# Altium PCB 2016-01-09_18-46-40.PcbDoc
Units mm, origin at the board's own origin, x right, y up, seen from the top; angles counter-clockwise.
Board outline 181.51 x 145.21 mm, 4 copper layers (Top Layer, MidLayer1, MidLayer2, Bottom Layer); 1 components, 1 nets, 4 pads, 2 vias.
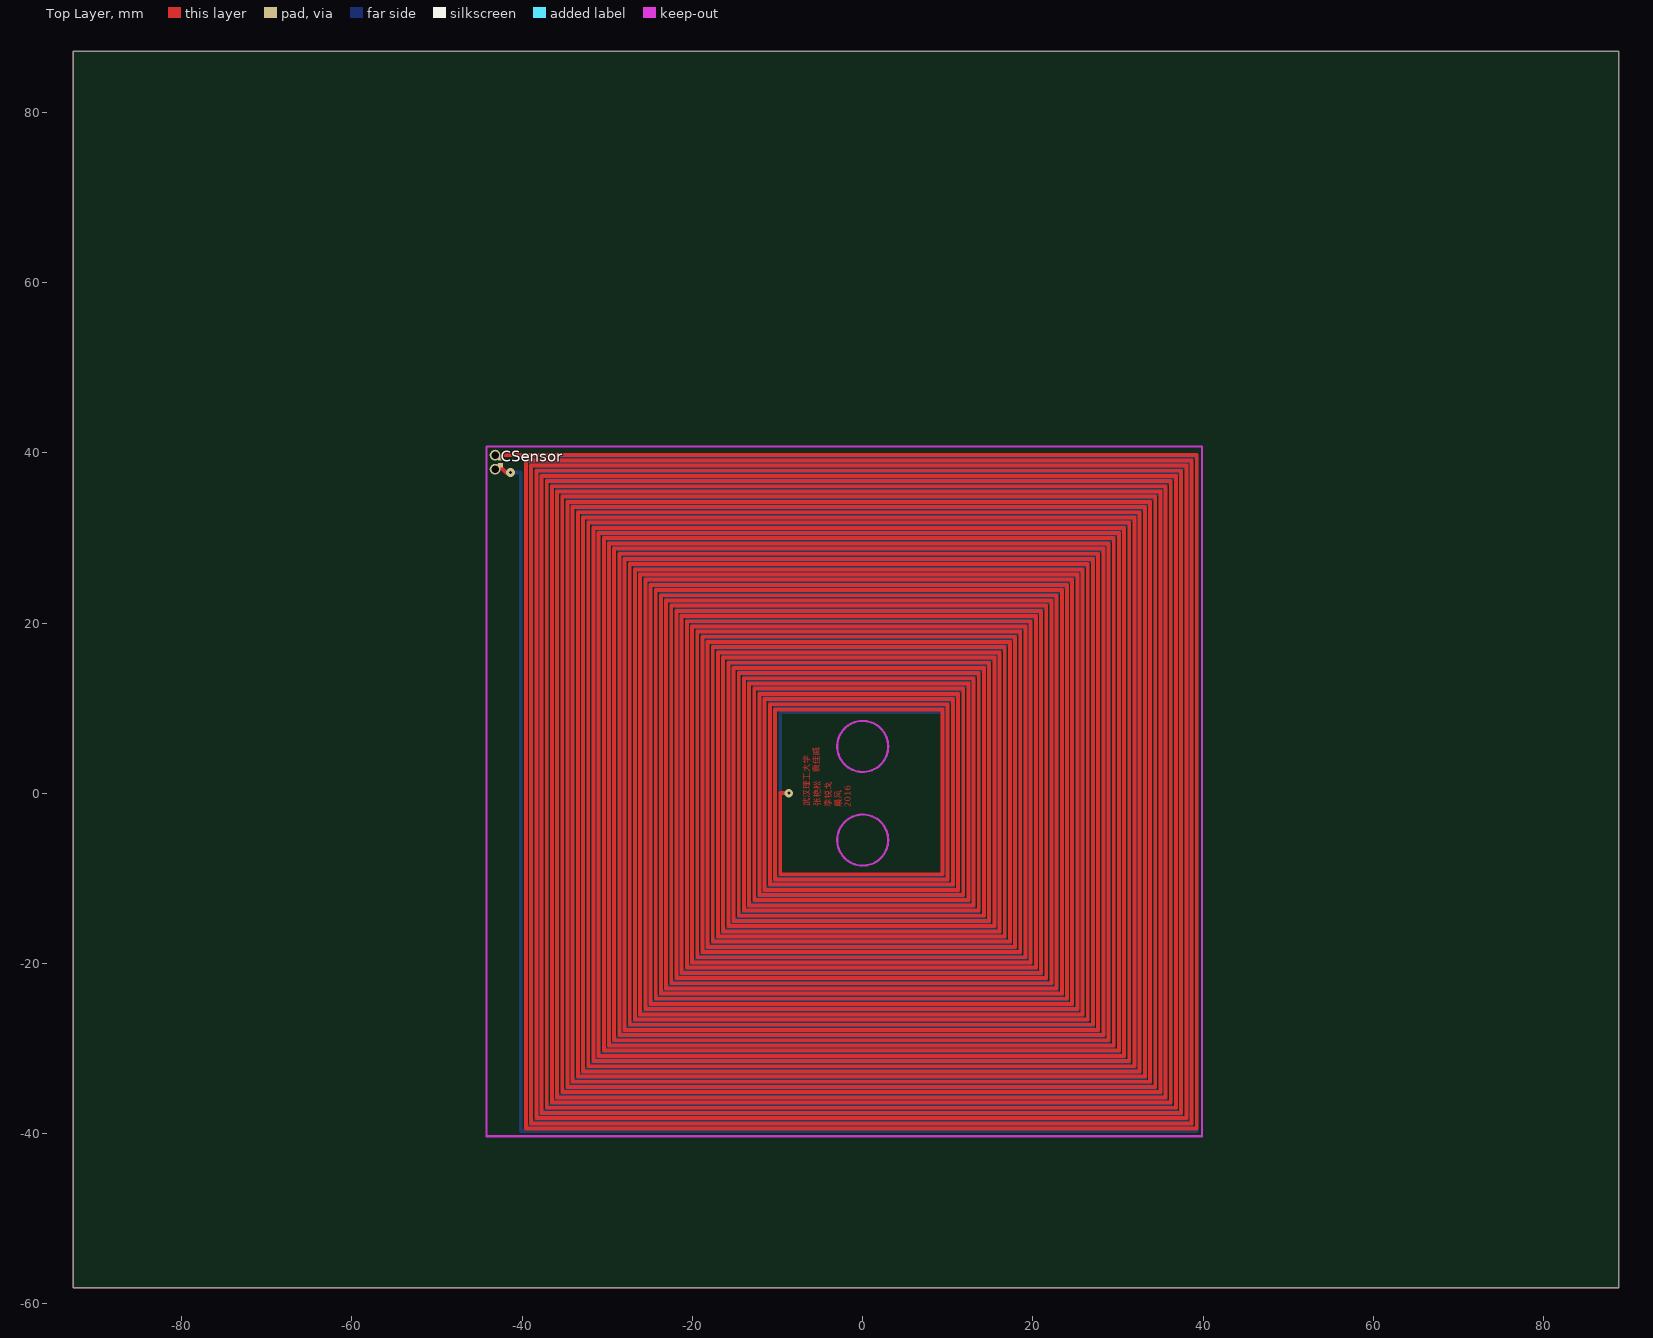
[diagram p0: Top Layer view]
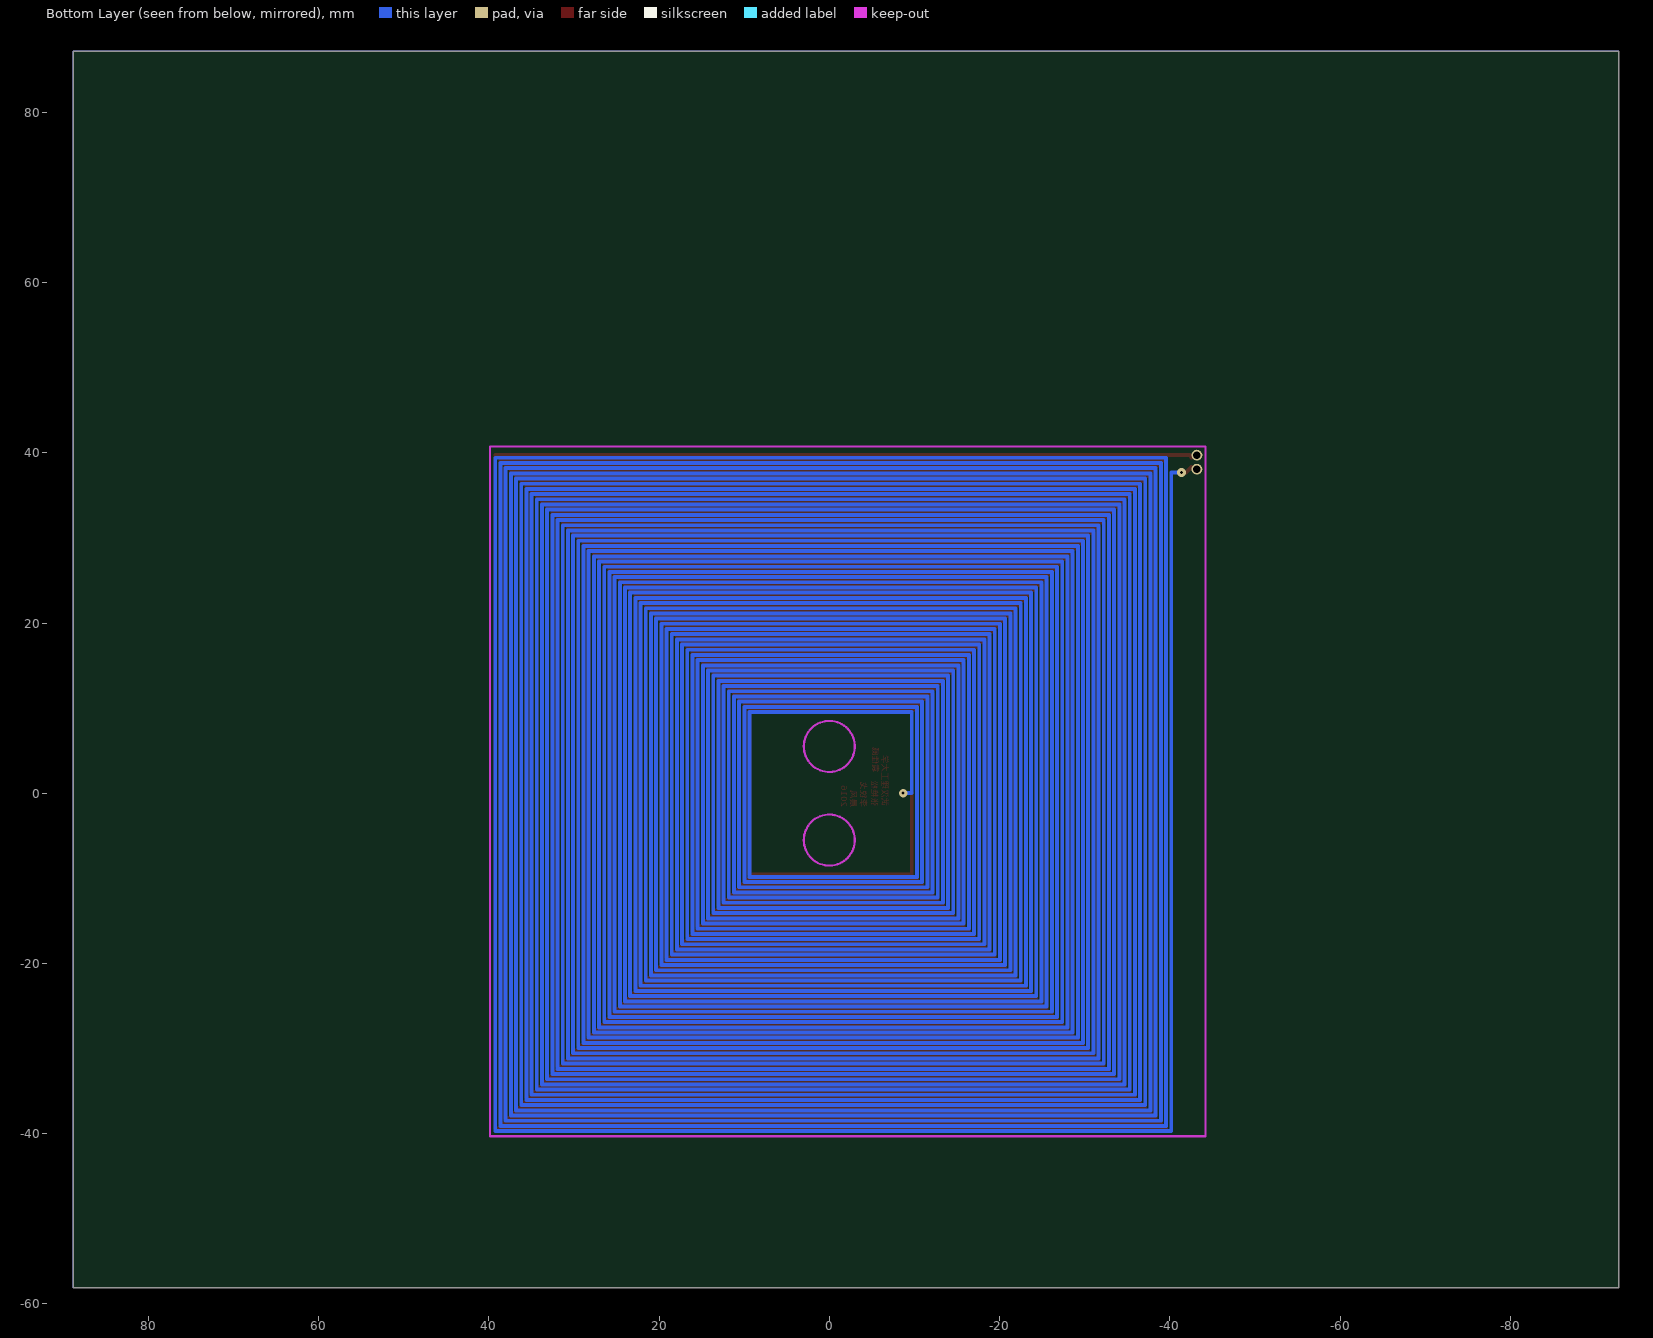
[diagram p1: Bottom Layer view, seen from below]

## Layer stack, top to bottom
Top Layer: signal copper 0.0356
Dielectric: core 0.32, FR-4, Dk 4.8
MidLayer1: signal copper 0.0356
Dielectric: prepreg 0.32, FR-4, Dk 4.8
MidLayer2: signal copper 0.0356
Dielectric: core 0.32, FR-4, Dk 4.8
Bottom Layer: signal copper 0.0356

## Board outline
-92.718,-58.069 88.791,-58.069 88.791,87.143 -92.718,87.143

## Design rules (kind name [scope] priority, off if disabled: settings)
Clearance [All] p1: gap=0.152
DiffPairsRouting [All] p1: maxlimit=1.27 minlimit=0.152 mostfreqgap=0.254 midlayer1_mingap=0.254 midlayer1_maxgap=0.254 midlayer2_mingap=0.254 midlayer2_maxgap=0.254 maxuncoupledlength=12.7
PlaneConnect [All] p1: planeconnectstyle=Direct reliefexpansion=0.508 reliefentries=4 reliefconductorwidth=0.254 reliefairgap=0.254
PolygonConnect [All] p1: connectstyle=Direct reliefconductorwidth=0.254 reliefentries=4 polygonreliefangle="90 Angle" airgapwidth=0.254
RoutingVias [All] p1: holewidth=0.711 width=1.27 viastyle="Through Hole" minholewidth=0.711 minwidth=1.27 maxholewidth=0.711 maxwidth=1.27
SolderMaskExpansion [All] p1: expansion=0.102
Width [All] p1: maxlimit=1.27 minlimit=0.152 preferedwidth=0.254 midlayer1_minwidth=0.254 midlayer1_maxwidth=0.254 midlayer2_minwidth=0.254 midlayer2_maxwidth=0.254 minimp=50.000000 maximp=50.000000 favimp=50.000000
26 further rules are at their usual default settings.

## Components (designator, comment, footprint, x,y, rotation, side; value= is the part's Value field where it differs from the comment)
CSensor "Comment" 0402 -42.553,38.959 r90 top

## Footprints (in the part's own frame and the unit in brackets; to place one, negate y for a bottom-side part, rotate by r counter-clockwise, add the part's x,y. Pads: shape width x height; smd on the part's side, far side on the other; paste and mask are expansions set on the pad)
0402 [mil]
  rect 22x24 smd: 1(-16.5,0) 2(16.5,0)

## Free pads (board coordinates)
  round 1.27 hole 0.864: 0(-43.188,39.721) 1(-43.188,38.07)

## Via types
v1: diameter 1.016/1.016/1.016/1.016 (per signal layer), hole 0.356, Top Layer to Bottom Layer, 2 vias

## Nets (pads, with @x,y where several pads share a name; then routed paths per layer and width w, separated by ;. In a path a pad name is that pad's centre, name@x,y a point inside that pad or via, vN(x,y) a via of type N, cw(c..) or ccw(c..) an arc to the next point about the centre after c; other vN are vias at no path point)
3: CSensor.1 CSensor.2 pad.0 pad.1 | length 19698.7
  Top Layer w0.457: CSensor.1@-42.553,38.323 -41.918,37.688 v1@-41.389,37.688 ; CSensor.2@-42.553,39.467 -42.316,39.72 39.24,39.72 39.24,-39.384 -39.56,-39.384 -39.56,39.11 38.63,39.11 38.63,-38.775 -38.95,-38.775 -38.95,38.501 38.02,38.501 38.02,-38.165 -38.341,-38.165 -38.341,37.891 37.411,37.891 37.411,-37.555 -37.731,-37.555 -37.731,37.282 36.801,37.282 36.801,-36.946 -37.121,-36.946 -37.121,36.672 36.192,36.672 36.192,-36.336 -36.512,-36.336 -36.512,36.062 35.582,36.062 35.582,-35.727 -35.902,-35.727 -35.902,35.453 34.972,35.453 34.972,-35.117 -35.293,-35.117 -35.293,34.843 34.363,34.843 34.363,-34.507 -34.683,-34.507 -34.683,34.234 33.753,34.234 33.753,-33.898 -34.073,-33.898 -34.073,33.624 33.144,33.624 33.144,-33.288 -33.464,-33.288 -33.464,33.014 32.534,33.014 32.534,-32.679 -32.854,-32.679 -32.854,32.405 31.924,32.405 31.924,-32.069 -32.245,-32.069 -32.245,31.795 31.315,31.795 31.315,-31.459 -31.635,-31.459 -31.635,31.186 30.705,31.186 30.705,-30.85 -31.025,-30.85 -31.025,30.576 30.096,30.576 30.096,-30.24 -30.416,-30.24 -30.416,29.966 29.486,29.966 29.486,-29.631 -29.806,-29.631 -29.806,29.357 28.876,29.357 28.876,-29.021 -29.197,-29.021 -29.197,28.747 28.267,28.747 28.267,-28.411 -28.587,-28.411 -28.587,28.138 27.657,28.138 27.657,-27.802 -27.977,-27.802 -27.977,27.528 27.048,27.528 27.048,-27.192 -27.368,-27.192 -27.368,26.918 26.438,26.918 26.438,-26.583 -26.758,-26.583 -26.758,26.309 25.828,26.309 25.828,-25.973 -26.149,-25.973 -26.149,25.699 25.219,25.699 25.219,-25.363 -25.539,-25.363 -25.539,25.09 24.609,25.09 24.609,-24.754 -24.929,-24.754 -24.929,24.48 24,24.48 24,-24.144 -24.32,-24.144 -24.32,23.87 23.39,23.87 23.39,-23.535 -23.71,-23.535 -23.71,23.261 22.78,23.261 22.78,-22.925 -23.101,-22.925 -23.101,22.651 22.171,22.651 22.171,-22.315 -22.491,-22.315 -22.491,22.042 21.561,22.042 21.561,-21.706 -21.881,-21.706 -21.881,21.432 20.952,21.432 20.952,-21.096 -21.272,-21.096 -21.272,20.822 20.342,20.822 20.342,-20.487 -20.662,-20.487 -20.662,20.213 19.732,20.213 19.732,-19.877 -20.053,-19.877 -20.053,19.603 19.123,19.603 19.123,-19.267 -19.443,-19.267 -19.443,18.994 18.513,18.994 18.513,-18.658 -18.833,-18.658 -18.833,18.384 17.904,18.384 17.904,-18.048 -18.224,-18.048 -18.224,17.774 17.294,17.774 17.294,-17.439 -17.614,-17.439 -17.614,17.165 16.684,17.165 16.684,-16.829 -17.005,-16.829 -17.005,16.555 16.075,16.555 16.075,-16.219 -16.395,-16.219 -16.395,15.946 15.465,15.946 15.465,-15.61 -15.785,-15.61 -15.785,15.336 14.856,15.336 14.856,-15 -15.176,-15 -15.176,14.726 14.246,14.726 14.246,-14.391 -14.566,-14.391 -14.566,14.117 13.636,14.117 13.636,-13.781 -13.957,-13.781 -13.957,13.507 13.027,13.507 13.027,-13.171 -13.347,-13.171 -13.347,12.898 12.417,12.898 12.417,-12.562 -12.737,-12.562 -12.737,12.288 11.808,12.288 11.808,-11.952 -12.128,-11.952 -12.128,11.678 11.198,11.678 11.198,-11.343 -11.518,-11.343 -11.518,11.069 10.588,11.069 10.588,-10.733 -10.909,-10.733 -10.909,10.459 9.979,10.459 9.979,-10.123 -10.299,-10.123 -10.299,9.85 9.369,9.85 9.369,-9.514 -9.689,-9.514 -9.689,0.016 v1@-8.673,0.016
  Bottom Layer w0.457: v1@-41.389,37.688 -40.169,37.688 -40.169,-39.689 39.24,-39.689 39.24,39.415 -39.56,39.415 -39.56,-39.079 38.63,-39.079 38.63,38.806 -38.95,38.806 -38.95,-38.47 38.02,-38.47 38.02,38.196 -38.341,38.196 -38.341,-37.86 37.411,-37.86 37.411,37.586 -37.731,37.586 -37.731,-37.251 36.801,-37.251 36.801,36.977 -37.121,36.977 -37.121,-36.641 36.192,-36.641 36.192,36.367 -36.512,36.367 -36.512,-36.031 35.582,-36.031 35.582,35.758 -35.902,35.758 -35.902,-35.422 34.972,-35.422 34.972,35.148 -35.293,35.148 -35.293,-34.812 34.363,-34.812 34.363,34.538 -34.683,34.538 -34.683,-34.203 33.753,-34.203 33.753,33.929 -34.073,33.929 -34.073,-33.593 33.144,-33.593 33.144,33.319 -33.464,33.319 -33.464,-32.983 32.534,-32.983 32.534,32.71 -32.854,32.71 -32.854,-32.374 31.924,-32.374 31.924,32.1 -32.245,32.1 -32.245,-31.764 31.315,-31.764 31.315,31.49 -31.635,31.49 -31.635,-31.155 30.705,-31.155 30.705,30.881 -31.025,30.881 -31.025,-30.545 30.096,-30.545 30.096,30.271 -30.416,30.271 -30.416,-29.935 29.486,-29.935 29.486,29.662 -29.806,29.662 -29.806,-29.326 28.876,-29.326 28.876,29.052 -29.197,29.052 -29.197,-28.716 28.267,-28.716 28.267,28.442 -28.587,28.442 -28.587,-28.107 27.657,-28.107 27.657,27.833 -27.977,27.833 -27.977,-27.497 27.048,-27.497 27.048,27.223 -27.368,27.223 -27.368,-26.887 26.438,-26.887 26.438,26.614 -26.758,26.614 -26.758,-26.278 25.828,-26.278 25.828,26.004 -26.149,26.004 -26.149,-25.668 25.219,-25.668 25.219,25.394 -25.539,25.394 -25.539,-25.059 24.609,-25.059 24.609,24.785 -24.929,24.785 -24.929,-24.449 24,-24.449 24,24.175 -24.32,24.175 -24.32,-23.839 23.39,-23.839 23.39,23.566 -23.71,23.566 -23.71,-23.23 22.78,-23.23 22.78,22.956 -23.101,22.956 -23.101,-22.62 22.171,-22.62 22.171,22.346 -22.491,22.346 -22.491,-22.011 21.561,-22.011 21.561,21.737 -21.881,21.737 -21.881,-21.401 20.952,-21.401 20.952,21.127 -21.272,21.127 -21.272,-20.791 20.342,-20.791 20.342,20.518 -20.662,20.518 -20.662,-20.182 19.732,-20.182 19.732,19.908 -20.053,19.908 -20.053,-19.572 19.123,-19.572 19.123,19.298 -19.443,19.298 -19.443,-18.963 18.513,-18.963 18.513,18.689 -18.833,18.689 -18.833,-18.353 17.904,-18.353 17.904,18.079 -18.224,18.079 -18.224,-17.743 17.294,-17.743 17.294,17.47 -17.614,17.47 -17.614,-17.134 16.684,-17.134 16.684,16.86 -17.005,16.86 -17.005,-16.524 16.075,-16.524 16.075,16.25 -16.395,16.25 -16.395,-15.915 15.465,-15.915 15.465,15.641 -15.785,15.641 -15.785,-15.305 14.856,-15.305 14.856,15.031 -15.176,15.031 -15.176,-14.695 14.246,-14.695 14.246,14.422 -14.566,14.422 -14.566,-14.086 13.636,-14.086 13.636,13.812 -13.957,13.812 -13.957,-13.476 13.027,-13.476 13.027,13.202 -13.347,13.202 -13.347,-12.867 12.417,-12.867 12.417,12.593 -12.737,12.593 -12.737,-12.257 11.808,-12.257 11.808,11.983 -12.128,11.983 -12.128,-11.647 11.198,-11.647 11.198,11.374 -11.518,11.374 -11.518,-11.038 10.588,-11.038 10.588,10.764 -10.909,10.764 -10.909,-10.428 9.979,-10.428 9.979,10.154 -10.299,10.154 -10.299,-9.819 9.369,-9.819 9.369,9.545 -9.689,9.545 -9.689,0.016 v1@-8.673,0.016
  other v1: -8.669,0.021 -41.384,37.689

## Keep-outs
Keep-Out Layer:
  circle w0.254: c0,-5.5 r3
  circle w0.254: c0,5.5 r3
  lines w0.254: -44.204,-40.289 -44.204,40.737 39.87,40.737 39.87,-40.289 -44.204,-40.289

## Other copper
Top Layer:
  text "袁佳威" at -4.796,2.405 h1.27 r90
  text "武汉理工大学" at -5.939,-1.532 h1.27 r90
  text "张艳松" at -4.669,-1.532 h1.27 r90
  text "李锐戈" at -3.399,-1.659 h1.27 r90
  text "晨风" at -2.256,-1.659 h1.27 r90
  text "2016" at -1.113,-1.659 h1.27 r90
Multi-Layer:
  the board outline again, w0.025
  text "Exported from WEBENCH Coil Designer Tool" at -72.067,78.126 h3.51
  text "WEBENCH Design Information" at -90,70.683 h2.18
  text "Coil Parameters" at 12.083,70.023 h2.18
  text "-------------------------" at -90,67.839 h2.18
  text "--------------" at 12.083,67.178 h2.18
  text "User Id - 3988952" at -90,64.994 h2.18
  text "Layers = 2" at 12.083,64.359 h2.18
  text "Design Id - 11" at -90,62.174 h2.18
  text "Turns = 50" at 12.083,61.514 h2.18
  text "Exported on - 2016/01/09 18:46:38" at -90,59.33 h2.18
  text "Trace Width = 18.0 mils" at 12.083,58.669 h2.18
  text "Version - 1.0" at -90,56.485 h2.18
  text "Trace Spacing = 6.0 mils" at 12.083,55.824 h2.18
  text "Inner Diameter = 738 mils (Approx.)" at 12.083,52.98 h2.18
  text "Outer Diameter = 3138 mils (Approx.)" at 12.083,50.16 h2.18